# Allegro board LED_FIN.brd (continued)
## Routing (per net, layer and track width the routed paths; a pad name or vN(x,y) marks a point on that pad's centre or on a via; arc(x,y) is an arc through that point) (continued)
  BOTTOM w0.15: v1(209.25,240.8) v1(209.25,238.8) v1(209.25,236.8) v1(209.25,234.8) v1(209.25,232.8) v1(209.25,230.8) v1(209.25,228.8) v1(209.25,226.8) v1(209.25,224.8) v1(209.25,222.8) v1(209.25,220.8) v1(209.25,218.8) v1(209.25,216.8) v1(209.25,214.8) v1(209.25,212.8) v1(209.25,210.8) v1(209.25,208.8) v1(209.25,206.8) v1(209.25,204.8) v1(209.25,202.8) v1(209.25,200.8) v1(209.25,198.8) v1(209.25,196.8) v1(209.25,194.8) v1(209.25,192.8) v1(209.25,190.8) v1(209.25,188.8) v1(209.25,186.8) v1(209.25,184.8) v1(209.25,182.8) v1(209.25,180.8) v1(209.25,178.8) v1(209.25,176.8) v1(209.25,174.8) v1(209.25,172.8) v1(209.25,170.8) v1(209.25,168.8) v1(209.25,166.8) 209.22,166.77 209.22,129.98 209.25,129.95 v1(209.25,10.6)
COL_OUT_C35: length 258.2
  TOP w0.15: D11635.1 v1(207.25,226.8) ; D12205.1 v1(207.25,188.8) ; D11815.1 v1(207.25,214.8) ; D12265.1 v1(207.25,184.8) ; D12055.1 v1(207.25,198.8) ; D11485.1 v1(207.25,236.8) ; D11695.1 v1(207.25,222.8) ; D11575.1 v1(207.25,230.8) ; D11785.1 v1(207.25,216.8) ; D12115.1 v1(207.25,194.8) ; D12355.1 v1(207.25,178.8) ; D12325.1 v1(207.25,180.8) ; D11455.1 v1(207.25,238.8) ; D12535.1 v1(207.25,166.8) ; D12145.1 v1(207.25,192.8) ; R325.1 206.7,10.6 v1(207.25,10.6) ; D12025.1 v1(207.25,200.8) ; D11965.1 v1(207.25,204.8) ; D12385.1 v1(207.25,176.8) ; D11935.1 v1(207.25,206.8) ; D12415.1 v1(207.25,174.8) ; D11515.1 v1(207.25,234.8) ; D12295.1 v1(207.25,182.8) ; D11875.1 v1(207.25,210.8) ; D11425.1 v1(207.25,240.8) ; D11605.1 v1(207.25,228.8) ; D11545.1 v1(207.25,232.8) ; D12505.1 v1(207.25,168.8) ; D12085.1 v1(207.25,196.8) ; D11665.1 v1(207.25,224.8) ; D11755.1 v1(207.25,218.8) ; D11845.1 v1(207.25,212.8) ; D12475.1 v1(207.25,170.8) ; D12175.1 v1(207.25,190.8) ; D11995.1 v1(207.25,202.8) ; D12445.1 v1(207.25,172.8) ; D11905.1 v1(207.25,208.8) ; D11725.1 v1(207.25,220.8) ; D12235.1 v1(207.25,186.8)
  BOTTOM w0.15: v1(207.25,10.6) 206.78,11.07 206.78,41.77 207.13,42.12 207.13,129.53 206.68,129.98 206.68,131.75 207.25,132.32 v1(207.25,166.8) v1(207.25,168.8) v1(207.25,170.8) v1(207.25,172.8) v1(207.25,174.8) v1(207.25,176.8) v1(207.25,178.8) v1(207.25,180.8) v1(207.25,182.8) v1(207.25,184.8) v1(207.25,186.8) v1(207.25,188.8) v1(207.25,190.8) v1(207.25,192.8) v1(207.25,194.8) v1(207.25,196.8) v1(207.25,198.8) v1(207.25,200.8) v1(207.25,202.8) v1(207.25,204.8) v1(207.25,206.8) v1(207.25,208.8) v1(207.25,210.8) v1(207.25,212.8) v1(207.25,214.8) v1(207.25,216.8) v1(207.25,218.8) v1(207.25,220.8) v1(207.25,222.8) v1(207.25,224.8) v1(207.25,226.8) v1(207.25,228.8) v1(207.25,230.8) v1(207.25,232.8) v1(207.25,234.8) v1(207.25,236.8) v1(207.25,238.8) v1(207.25,240.8)
COL_OUT_C36: length 257.6
  TOP w0.15: D12324.1 v1(205.25,180.8) ; D12474.1 v1(205.25,170.8) ; R324.1 204.7,10.6 v1(205.25,10.6) ; D11724.1 v1(205.25,220.8) ; D12444.1 v1(205.25,172.8) ; D12054.1 v1(205.25,198.8) ; D12414.1 v1(205.25,174.8) ; D12084.1 v1(205.25,196.8) ; D11754.1 v1(205.25,218.8) ; D11874.1 v1(205.25,210.8) ; D12504.1 v1(205.25,168.8) ; D11634.1 v1(205.25,226.8) ; D12354.1 v1(205.25,178.8) ; D11814.1 v1(205.25,214.8) ; D11574.1 v1(205.25,230.8) ; D11604.1 v1(205.25,228.8) ; D11664.1 v1(205.25,224.8) ; D11424.1 v1(205.25,240.8) ; D11964.1 v1(205.25,204.8) ; D12534.1 v1(205.25,166.8) ; D11844.1 v1(205.25,212.8) ; D12024.1 v1(205.25,200.8) ; D11544.1 v1(205.25,232.8) ; D12264.1 v1(205.25,184.8) ; D12144.1 v1(205.25,192.8) ; D12294.1 v1(205.25,182.8) ; D11934.1 v1(205.25,206.8) ; D12114.1 v1(205.25,194.8) ; D11694.1 v1(205.25,222.8) ; D11484.1 v1(205.25,236.8) ; D11904.1 v1(205.25,208.8) ; D12234.1 v1(205.25,186.8) ; D11784.1 v1(205.25,216.8) ; D12204.1 v1(205.25,188.8) ; D11514.1 v1(205.25,234.8) ; D12174.1 v1(205.25,190.8) ; D11454.1 v1(205.25,238.8) ; D12384.1 v1(205.25,176.8) ; D11994.1 v1(205.25,202.8)
  BOTTOM w0.15: v1(205.25,10.6) 205.44,10.79 205.44,41.77 205.34,41.87 205.34,166.71 v1(205.25,166.8) v1(205.25,168.8) v1(205.25,170.8) v1(205.25,172.8) v1(205.25,174.8) v1(205.25,176.8) v1(205.25,178.8) v1(205.25,180.8) v1(205.25,182.8) v1(205.25,184.8) v1(205.25,186.8) v1(205.25,188.8) v1(205.25,190.8) v1(205.25,192.8) v1(205.25,194.8) v1(205.25,196.8) v1(205.25,198.8) v1(205.25,200.8) v1(205.25,202.8) v1(205.25,204.8) v1(205.25,206.8) v1(205.25,208.8) v1(205.25,210.8) v1(205.25,212.8) v1(205.25,214.8) v1(205.25,216.8) v1(205.25,218.8) v1(205.25,220.8) v1(205.25,222.8) v1(205.25,224.8) v1(205.25,226.8) v1(205.25,228.8) v1(205.25,230.8) v1(205.25,232.8) v1(205.25,234.8) v1(205.25,236.8) v1(205.25,238.8) v1(205.25,240.8)
COL_OUT_C37: length 257.9
  TOP w0.15: D11483.1 v1(203.25,236.8) ; D12323.1 v1(203.25,180.8) ; D11663.1 v1(203.25,224.8) ; D12293.1 v1(203.25,182.8) ; D12503.1 v1(203.25,168.8) ; D11873.1 v1(203.25,210.8) ; D11993.1 v1(203.25,202.8) ; D11423.1 v1(203.25,240.8) ; D11813.1 v1(203.25,214.8) ; D11633.1 v1(203.25,226.8) ; D12233.1 v1(203.25,186.8) ; D12113.1 v1(203.25,194.8) ; D11543.1 v1(203.25,232.8) ; R323.1 202.7,10.6 v1(203.25,10.6) ; D12263.1 v1(203.25,184.8) ; D11723.1 v1(203.25,220.8) ; D11513.1 v1(203.25,234.8) ; D11573.1 v1(203.25,230.8) ; D12413.1 v1(203.25,174.8) ; D12203.1 v1(203.25,188.8) ; D12023.1 v1(203.25,200.8) ; D12053.1 v1(203.25,198.8) ; D11843.1 v1(203.25,212.8) ; D11903.1 v1(203.25,208.8) ; D11933.1 v1(203.25,206.8) ; D11783.1 v1(203.25,216.8) ; D12353.1 v1(203.25,178.8) ; D12383.1 v1(203.25,176.8) ; D12083.1 v1(203.25,196.8) ; D11693.1 v1(203.25,222.8) ; D12173.1 v1(203.25,190.8) ; D11603.1 v1(203.25,228.8) ; D12533.1 v1(203.25,166.8) ; D12473.1 v1(203.25,170.8) ; D12143.1 v1(203.25,192.8) ; D11963.1 v1(203.25,204.8) ; D11753.1 v1(203.25,218.8) ; D11453.1 v1(203.25,238.8) ; D12443.1 v1(203.25,172.8)
  BOTTOM w0.15: v1(203.25,240.8) v1(203.25,238.8) v1(203.25,236.8) v1(203.25,234.8) v1(203.25,232.8) v1(203.25,230.8) v1(203.25,228.8) v1(203.25,226.8) v1(203.25,224.8) v1(203.25,222.8) v1(203.25,220.8) v1(203.25,218.8) v1(203.25,216.8) v1(203.25,214.8) v1(203.25,212.8) v1(203.25,210.8) v1(203.25,208.8) v1(203.25,206.8) v1(203.25,204.8) v1(203.25,202.8) v1(203.25,200.8) v1(203.25,198.8) v1(203.25,196.8) v1(203.25,194.8) v1(203.25,192.8) v1(203.25,190.8) v1(203.25,188.8) v1(203.25,186.8) v1(203.25,184.8) v1(203.25,182.8) v1(203.25,180.8) v1(203.25,178.8) v1(203.25,176.8) v1(203.25,174.8) v1(203.25,172.8) v1(203.25,170.8) v1(203.25,168.8) v1(203.25,166.8) 203.25,132.13 202.87,131.75 202.87,129.98 203.22,129.63 203.22,42.02 202.97,41.77 202.97,11.38 203.25,11.1 v1(203.25,10.6)
COL_OUT_C38: length 257.7
  TOP w0.15: D11572.1 v1(201.25,230.8) ; D12022.1 v1(201.25,200.8) ; D11992.1 v1(201.25,202.8) ; D12532.1 v1(201.25,166.8) ; D11782.1 v1(201.25,216.8) ; D12382.1 v1(201.25,176.8) ; D12352.1 v1(201.25,178.8) ; D11932.1 v1(201.25,206.8) ; D12322.1 v1(201.25,180.8) ; D12082.1 v1(201.25,196.8) ; D12502.1 v1(201.25,168.8) ; D12412.1 v1(201.25,174.8) ; D11662.1 v1(201.25,224.8) ; D11812.1 v1(201.25,214.8) ; D12052.1 v1(201.25,198.8) ; D11722.1 v1(201.25,220.8) ; D11512.1 v1(201.25,234.8) ; D11482.1 v1(201.25,236.8) ; D11602.1 v1(201.25,228.8) ; D12112.1 v1(201.25,194.8) ; D11542.1 v1(201.25,232.8) ; D12292.1 v1(201.25,182.8) ; R322.1 200.7,10.6 v1(201.25,10.6) ; D12142.1 v1(201.25,192.8) ; D12472.1 v1(201.25,170.8) ; D11422.1 v1(201.25,240.8) ; D12202.1 v1(201.25,188.8) ; D12232.1 v1(201.25,186.8) ; D11452.1 v1(201.25,238.8) ; D12442.1 v1(201.25,172.8) ; D12262.1 v1(201.25,184.8) ; D12172.1 v1(201.25,190.8) ; D11752.1 v1(201.25,218.8) ; D11872.1 v1(201.25,210.8) ; D11902.1 v1(201.25,208.8) ; D11692.1 v1(201.25,222.8) ; D11632.1 v1(201.25,226.8) ; D11842.1 v1(201.25,212.8) ; D11962.1 v1(201.25,204.8)
  BOTTOM w0.15: v1(201.25,240.8) v1(201.25,238.8) v1(201.25,236.8) v1(201.25,234.8) v1(201.25,232.8) v1(201.25,230.8) v1(201.25,228.8) v1(201.25,226.8) v1(201.25,224.8) v1(201.25,222.8) v1(201.25,220.8) v1(201.25,218.8) v1(201.25,216.8) v1(201.25,214.8) v1(201.25,212.8) v1(201.25,210.8) v1(201.25,208.8) v1(201.25,206.8) v1(201.25,204.8) v1(201.25,202.8) v1(201.25,200.8) v1(201.25,198.8) v1(201.25,196.8) v1(201.25,194.8) v1(201.25,192.8) v1(201.25,190.8) v1(201.25,188.8) v1(201.25,186.8) v1(201.25,184.8) v1(201.25,182.8) v1(201.25,180.8) v1(201.25,178.8) v1(201.25,176.8) v1(201.25,174.8) v1(201.25,172.8) v1(201.25,170.8) v1(201.25,168.8) v1(201.25,166.8) 201.25,132.03 201.53,131.75 201.53,41.87 201.63,41.77 201.63,10.98 v1(201.25,10.6)
COL_OUT_C39: length 257.6
  TOP w0.15: D11811.1 v1(199.25,214.8) ; D11601.1 v1(199.25,228.8) ; D11781.1 v1(199.25,216.8) ; D11751.1 v1(199.25,218.8) ; D11931.1 v1(199.25,206.8) ; D11511.1 v1(199.25,234.8) ; D11871.1 v1(199.25,210.8) ; D12081.1 v1(199.25,196.8) ; D12381.1 v1(199.25,176.8) ; v1(199.25,10.6) 198.7,10.6 R321.1 ; D12411.1 v1(199.25,174.8) ; D11571.1 v1(199.25,230.8) ; D11421.1 v1(199.25,240.8) ; D12201.1 v1(199.25,188.8) ; D12261.1 v1(199.25,184.8) ; D11481.1 v1(199.25,236.8) ; D11541.1 v1(199.25,232.8) ; D12051.1 v1(199.25,198.8) ; D12441.1 v1(199.25,172.8) ; D12531.1 v1(199.25,166.8) ; D12291.1 v1(199.25,182.8) ; D11721.1 v1(199.25,220.8) ; D11451.1 v1(199.25,238.8) ; D11991.1 v1(199.25,202.8) ; D11631.1 v1(199.25,226.8) ; D11841.1 v1(199.25,212.8) ; D11901.1 v1(199.25,208.8) ; D12471.1 v1(199.25,170.8) ; D12021.1 v1(199.25,200.8) ; D12231.1 v1(199.25,186.8) ; D12501.1 v1(199.25,168.8) ; D11691.1 v1(199.25,222.8) ; D12111.1 v1(199.25,194.8) ; D12321.1 v1(199.25,180.8) ; D12141.1 v1(199.25,192.8) ; D12171.1 v1(199.25,190.8) ; D12351.1 v1(199.25,178.8) ; D11661.1 v1(199.25,224.8) ; D11961.1 v1(199.25,204.8)
  BOTTOM w0.15: v1(199.25,240.8) v1(199.25,238.8) v1(199.25,236.8) v1(199.25,234.8) v1(199.25,232.8) v1(199.25,230.8) v1(199.25,228.8) v1(199.25,226.8) v1(199.25,224.8) v1(199.25,222.8) v1(199.25,220.8) v1(199.25,218.8) v1(199.25,216.8) v1(199.25,214.8) v1(199.25,212.8) v1(199.25,210.8) v1(199.25,208.8) v1(199.25,206.8) v1(199.25,204.8) v1(199.25,202.8) v1(199.25,200.8) v1(199.25,198.8) v1(199.25,196.8) v1(199.25,194.8) v1(199.25,192.8) v1(199.25,190.8) v1(199.25,188.8) v1(199.25,186.8) v1(199.25,184.8) v1(199.25,182.8) v1(199.25,180.8) v1(199.25,178.8) v1(199.25,176.8) v1(199.25,174.8) v1(199.25,172.8) v1(199.25,170.8) v1(199.25,168.8) v1(199.25,166.8) 199.06,166.61 199.06,129.98 199.16,129.88 199.16,10.69 v1(199.25,10.6)
COL_OUT_C40: length 258.1
  TOP w0.15: R320.1 196.7,10.6 v1(197.25,10.6) ; D12260.1 v1(197.25,184.8) ; D11870.1 v1(197.25,210.8) ; D11660.1 v1(197.25,224.8) ; D11690.1 v1(197.25,222.8) ; D12440.1 v1(197.25,172.8) ; D12320.1 v1(197.25,180.8) ; D11810.1 v1(197.25,214.8) ; D12380.1 v1(197.25,176.8) ; D12110.1 v1(197.25,194.8) ; D11450.1 v1(197.25,238.8) ; D12170.1 v1(197.25,190.8) ; D12050.1 v1(197.25,198.8) ; D11750.1 v1(197.25,218.8) ; D11510.1 v1(197.25,234.8) ; D12230.1 v1(197.25,186.8) ; D11420.1 v1(197.25,240.8) ; D12290.1 v1(197.25,182.8) ; D12500.1 v1(197.25,168.8) ; D11960.1 v1(197.25,204.8) ; D11570.1 v1(197.25,230.8) ; D11900.1 v1(197.25,208.8) ; D12350.1 v1(197.25,178.8) ; D11840.1 v1(197.25,212.8) ; D12530.1 v1(197.25,166.8) ; D11930.1 v1(197.25,206.8) ; D12140.1 v1(197.25,192.8) ; D12410.1 v1(197.25,174.8) ; D11480.1 v1(197.25,236.8) ; D12470.1 v1(197.25,170.8) ; D11540.1 v1(197.25,232.8) ; D11780.1 v1(197.25,216.8) ; D11630.1 v1(197.25,226.8) ; D11990.1 v1(197.25,202.8) ; D11600.1 v1(197.25,228.8) ; D12080.1 v1(197.25,196.8) ; D12020.1 v1(197.25,200.8) ; D12200.1 v1(197.25,188.8) ; D11720.1 v1(197.25,220.8)
  BOTTOM w0.15: v1(197.25,240.8) v1(197.25,238.8) v1(197.25,236.8) v1(197.25,234.8) v1(197.25,232.8) v1(197.25,230.8) v1(197.25,228.8) v1(197.25,226.8) v1(197.25,224.8) v1(197.25,222.8) v1(197.25,220.8) v1(197.25,218.8) v1(197.25,216.8) v1(197.25,214.8) v1(197.25,212.8) v1(197.25,210.8) v1(197.25,208.8) v1(197.25,206.8) v1(197.25,204.8) v1(197.25,202.8) v1(197.25,200.8) v1(197.25,198.8) v1(197.25,196.8) v1(197.25,194.8) v1(197.25,192.8) v1(197.25,190.8) v1(197.25,188.8) v1(197.25,186.8) v1(197.25,184.8) v1(197.25,182.8) v1(197.25,180.8) v1(197.25,178.8) v1(197.25,176.8) v1(197.25,174.8) v1(197.25,172.8) v1(197.25,170.8) v1(197.25,168.8) v1(197.25,166.8) 197.25,132.22 197.72,131.75 197.72,129.98 197.47,129.73 197.47,42.12 197.82,41.77 197.82,40 197.25,39.43 v1(197.25,10.6)
COL_OUT_C41: length 257.4
  TOP w0.15: D12079.1 v1(195.25,196.8) ; D12349.1 v1(195.25,178.8) ; D12109.1 v1(195.25,194.8) ; D11419.1 v1(195.25,240.8) ; D11449.1 v1(195.25,238.8) ; D12199.1 v1(195.25,188.8) ; D12289.1 v1(195.25,182.8) ; D11539.1 v1(195.25,232.8) ; D11509.1 v1(195.25,234.8) ; R319.1 194.7,10.6 v1(195.25,10.6) ; D11569.1 v1(195.25,230.8) ; D11869.1 v1(195.25,210.8) ; D12409.1 v1(195.25,174.8) ; D12019.1 v1(195.25,200.8) ; D11659.1 v1(195.25,224.8) ; D12229.1 v1(195.25,186.8) ; D12469.1 v1(195.25,170.8) ; D12049.1 v1(195.25,198.8) ; D11689.1 v1(195.25,222.8) ; D12139.1 v1(195.25,192.8) ; D11959.1 v1(195.25,204.8) ; D11629.1 v1(195.25,226.8) ; D11809.1 v1(195.25,214.8) ; D12259.1 v1(195.25,184.8) ; D11779.1 v1(195.25,216.8) ; D12169.1 v1(195.25,190.8) ; D11839.1 v1(195.25,212.8) ; D11599.1 v1(195.25,228.8) ; D11719.1 v1(195.25,220.8) ; D12379.1 v1(195.25,176.8) ; D11749.1 v1(195.25,218.8) ; D12319.1 v1(195.25,180.8) ; D12529.1 v1(195.25,166.8) ; D11989.1 v1(195.25,202.8) ; D11899.1 v1(195.25,208.8) ; D11479.1 v1(195.25,236.8) ; D12499.1 v1(195.25,168.8) ; D11929.1 v1(195.25,206.8) ; D12439.1 v1(195.25,172.8)
  BOTTOM w0.15: v1(195.25,10.6) 195.28,10.63 195.28,41.77 195.25,41.8 v1(195.25,166.8) v1(195.25,168.8) v1(195.25,170.8) v1(195.25,172.8) v1(195.25,174.8) v1(195.25,176.8) v1(195.25,178.8) v1(195.25,180.8) v1(195.25,182.8) v1(195.25,184.8) v1(195.25,186.8) v1(195.25,188.8) v1(195.25,190.8) v1(195.25,192.8) v1(195.25,194.8) v1(195.25,196.8) v1(195.25,198.8) v1(195.25,200.8) v1(195.25,202.8) v1(195.25,204.8) v1(195.25,206.8) v1(195.25,208.8) v1(195.25,210.8) v1(195.25,212.8) v1(195.25,214.8) v1(195.25,216.8) v1(195.25,218.8) v1(195.25,220.8) v1(195.25,222.8) v1(195.25,224.8) v1(195.25,226.8) v1(195.25,228.8) v1(195.25,230.8) v1(195.25,232.8) v1(195.25,234.8) v1(195.25,236.8) v1(195.25,238.8) v1(195.25,240.8)
COL_OUT_C42: length 258.1
  TOP w0.15: D12228.1 v1(193.25,186.8) ; D11688.1 v1(193.25,222.8) ; D12288.1 v1(193.25,182.8) ; D11418.1 v1(193.25,240.8) ; D11568.1 v1(193.25,230.8) ; D11868.1 v1(193.25,210.8) ; D12408.1 v1(193.25,174.8) ; D12018.1 v1(193.25,200.8) ; D11838.1 v1(193.25,212.8) ; D12198.1 v1(193.25,188.8) ; D12318.1 v1(193.25,180.8) ; D12168.1 v1(193.25,190.8) ; D11508.1 v1(193.25,234.8) ; D12438.1 v1(193.25,172.8) ; R318.1 192.7,10.6 v1(193.25,10.6) ; D11988.1 v1(193.25,202.8) ; D11478.1 v1(193.25,236.8) ; D11898.1 v1(193.25,208.8) ; D12378.1 v1(193.25,176.8) ; D11598.1 v1(193.25,228.8) ; D11928.1 v1(193.25,206.8) ; D11448.1 v1(193.25,238.8) ; D12348.1 v1(193.25,178.8) ; D11538.1 v1(193.25,232.8) ; D11658.1 v1(193.25,224.8) ; D11748.1 v1(193.25,218.8) ; D11718.1 v1(193.25,220.8) ; D12258.1 v1(193.25,184.8) ; D12498.1 v1(193.25,168.8) ; D11628.1 v1(193.25,226.8) ; D12078.1 v1(193.25,196.8) ; D12108.1 v1(193.25,194.8) ; D11808.1 v1(193.25,214.8) ; D12138.1 v1(193.25,192.8) ; D12468.1 v1(193.25,170.8) ; D11778.1 v1(193.25,216.8) ; D11958.1 v1(193.25,204.8) ; D12528.1 v1(193.25,166.8) ; D12048.1 v1(193.25,198.8)
  BOTTOM w0.15: v1(193.25,10.6) 192.81,11.04 192.81,41.77 193.06,42.02 193.06,129.63 192.71,129.98 192.71,131.75 193.25,132.29 v1(193.25,166.8) v1(193.25,168.8) v1(193.25,170.8) v1(193.25,172.8) v1(193.25,174.8) v1(193.25,176.8) v1(193.25,178.8) v1(193.25,180.8) v1(193.25,182.8) v1(193.25,184.8) v1(193.25,186.8) v1(193.25,188.8) v1(193.25,190.8) v1(193.25,192.8) v1(193.25,194.8) v1(193.25,196.8) v1(193.25,198.8) v1(193.25,200.8) v1(193.25,202.8) v1(193.25,204.8) v1(193.25,206.8) v1(193.25,208.8) v1(193.25,210.8) v1(193.25,212.8) v1(193.25,214.8) v1(193.25,216.8) v1(193.25,218.8) v1(193.25,220.8) v1(193.25,222.8) v1(193.25,224.8) v1(193.25,226.8) v1(193.25,228.8) v1(193.25,230.8) v1(193.25,232.8) v1(193.25,234.8) v1(193.25,236.8) v1(193.25,238.8) v1(193.25,240.8)
COL_OUT_C43: length 257.6
  TOP w0.15: D11747.1 v1(191.25,218.8) ; D12197.1 v1(191.25,188.8) ; D11807.1 v1(191.25,214.8) ; D11447.1 v1(191.25,238.8) ; D12377.1 v1(191.25,176.8) ; D11987.1 v1(191.25,202.8) ; D12407.1 v1(191.25,174.8) ; D11837.1 v1(191.25,212.8) ; D11927.1 v1(191.25,206.8) ; D12107.1 v1(191.25,194.8) ; D12047.1 v1(191.25,198.8) ; D12017.1 v1(191.25,200.8) ; D12167.1 v1(191.25,190.8) ; D11567.1 v1(191.25,230.8) ; D12467.1 v1(191.25,170.8) ; D12347.1 v1(191.25,178.8) ; D11537.1 v1(191.25,232.8) ; D11957.1 v1(191.25,204.8) ; D11627.1 v1(191.25,226.8) ; D12317.1 v1(191.25,180.8) ; D12257.1 v1(191.25,184.8) ; D12077.1 v1(191.25,196.8) ; D11897.1 v1(191.25,208.8) ; D12527.1 v1(191.25,166.8) ; D12227.1 v1(191.25,186.8) ; D11717.1 v1(191.25,220.8) ; D11657.1 v1(191.25,224.8) ; D11417.1 v1(191.25,240.8) ; D12437.1 v1(191.25,172.8) ; D12137.1 v1(191.25,192.8) ; D12287.1 v1(191.25,182.8) ; D11597.1 v1(191.25,228.8) ; R317.1 190.7,10.6 v1(191.25,10.6) ; D11687.1 v1(191.25,222.8) ; D11777.1 v1(191.25,216.8) ; D11507.1 v1(191.25,234.8) ; D11477.1 v1(191.25,236.8) ; D12497.1 v1(191.25,168.8) ; D11867.1 v1(191.25,210.8)
  BOTTOM w0.15: v1(191.25,10.6) 191.25,11.1 191.47,11.32 191.47,41.77 191.37,41.87 191.37,166.68 v1(191.25,166.8) v1(191.25,168.8) v1(191.25,170.8) v1(191.25,172.8) v1(191.25,174.8) v1(191.25,176.8) v1(191.25,178.8) v1(191.25,180.8) v1(191.25,182.8) v1(191.25,184.8) v1(191.25,186.8) v1(191.25,188.8) v1(191.25,190.8) v1(191.25,192.8) v1(191.25,194.8) v1(191.25,196.8) v1(191.25,198.8) v1(191.25,200.8) v1(191.25,202.8) v1(191.25,204.8) v1(191.25,206.8) v1(191.25,208.8) v1(191.25,210.8) v1(191.25,212.8) v1(191.25,214.8) v1(191.25,216.8) v1(191.25,218.8) v1(191.25,220.8) v1(191.25,222.8) v1(191.25,224.8) v1(191.25,226.8) v1(191.25,228.8) v1(191.25,230.8) v1(191.25,232.8) v1(191.25,234.8) v1(191.25,236.8) v1(191.25,238.8) v1(191.25,240.8)
COL_OUT_C44: length 257.9
  TOP w0.15: D12196.1 v1(189.25,188.8) ; D12226.1 v1(189.25,186.8) ; D11986.1 v1(189.25,202.8) ; D12496.1 v1(189.25,168.8) ; D12316.1 v1(189.25,180.8) ; D11596.1 v1(189.25,228.8) ; v1(189.25,10.6) 188.7,10.6 R316.1 ; D11566.1 v1(189.25,230.8) ; D11626.1 v1(189.25,226.8) ; D11836.1 v1(189.25,212.8) ; D11926.1 v1(189.25,206.8) ; D12106.1 v1(189.25,194.8) ; D11656.1 v1(189.25,224.8) ; D12136.1 v1(189.25,192.8) ; D11776.1 v1(189.25,216.8) ; D12076.1 v1(189.25,196.8) ; D11476.1 v1(189.25,236.8) ; D11866.1 v1(189.25,210.8) ; D11746.1 v1(189.25,218.8) ; D11956.1 v1(189.25,204.8) ; D12436.1 v1(189.25,172.8) ; D12466.1 v1(189.25,170.8) ; D12406.1 v1(189.25,174.8) ; D11536.1 v1(189.25,232.8) ; D11686.1 v1(189.25,222.8) ; D11896.1 v1(189.25,208.8) ; D11716.1 v1(189.25,220.8) ; D11806.1 v1(189.25,214.8) ; D11506.1 v1(189.25,234.8) ; D12376.1 v1(189.25,176.8) ; D12166.1 v1(189.25,190.8) ; D11416.1 v1(189.25,240.8) ; D12286.1 v1(189.25,182.8) ; D11446.1 v1(189.25,238.8) ; D12256.1 v1(189.25,184.8) ; D12046.1 v1(189.25,198.8) ; D12526.1 v1(189.25,166.8) ; D12016.1 v1(189.25,200.8) ; D12346.1 v1(189.25,178.8)
  BOTTOM w0.15: v1(189.25,240.8) v1(189.25,238.8) v1(189.25,236.8) v1(189.25,234.8) v1(189.25,232.8) v1(189.25,230.8) v1(189.25,228.8) v1(189.25,226.8) v1(189.25,224.8) v1(189.25,222.8) v1(189.25,220.8) v1(189.25,218.8) v1(189.25,216.8) v1(189.25,214.8) v1(189.25,212.8) v1(189.25,210.8) v1(189.25,208.8) v1(189.25,206.8) v1(189.25,204.8) v1(189.25,202.8) v1(189.25,200.8) v1(189.25,198.8) v1(189.25,196.8) v1(189.25,194.8) v1(189.25,192.8) v1(189.25,190.8) v1(189.25,188.8) v1(189.25,186.8) v1(189.25,184.8) v1(189.25,182.8) v1(189.25,180.8) v1(189.25,178.8) v1(189.25,176.8) v1(189.25,174.8) v1(189.25,172.8) v1(189.25,170.8) v1(189.25,168.8) v1(189.25,166.8) 189.25,132.1 188.9,131.75 188.9,129.98 189.25,129.63 189.25,42.02 189,41.77 189,11.35 189.25,11.1 v1(189.25,10.6)
COL_OUT_C45: length 257.8
  TOP w0.15: D11415.1 v1(187.25,240.8) ; D12165.1 v1(187.25,190.8) ; D11985.1 v1(187.25,202.8) ; D11505.1 v1(187.25,234.8) ; D12015.1 v1(187.25,200.8) ; D12345.1 v1(187.25,178.8) ; D12225.1 v1(187.25,186.8) ; D12375.1 v1(187.25,176.8) ; D11865.1 v1(187.25,210.8) ; D11925.1 v1(187.25,206.8) ; v1(187.25,10.6) 186.7,10.6 R315.1 ; D11895.1 v1(187.25,208.8) ; D11805.1 v1(187.25,214.8) ; D12135.1 v1(187.25,192.8) ; D12435.1 v1(187.25,172.8) ; D12045.1 v1(187.25,198.8) ; D11685.1 v1(187.25,222.8) ; D12285.1 v1(187.25,182.8) ; D12255.1 v1(187.25,184.8) ; D11715.1 v1(187.25,220.8) ; D11775.1 v1(187.25,216.8) ; D11625.1 v1(187.25,226.8) ; D11565.1 v1(187.25,230.8) ; D12195.1 v1(187.25,188.8) ; D11475.1 v1(187.25,236.8) ; D11655.1 v1(187.25,224.8) ; D12405.1 v1(187.25,174.8) ; D11595.1 v1(187.25,228.8) ; D11955.1 v1(187.25,204.8) ; D12495.1 v1(187.25,168.8) ; D12075.1 v1(187.25,196.8) ; D11445.1 v1(187.25,238.8) ; D11745.1 v1(187.25,218.8) ; D12525.1 v1(187.25,166.8) ; D12315.1 v1(187.25,180.8) ; D12465.1 v1(187.25,170.8) ; D11535.1 v1(187.25,232.8) ; D11835.1 v1(187.25,212.8) ; D12105.1 v1(187.25,194.8)
  BOTTOM w0.15: v1(187.25,240.8) v1(187.25,238.8) v1(187.25,236.8) v1(187.25,234.8) v1(187.25,232.8) v1(187.25,230.8) v1(187.25,228.8) v1(187.25,226.8) v1(187.25,224.8) v1(187.25,222.8) v1(187.25,220.8) v1(187.25,218.8) v1(187.25,216.8) v1(187.25,214.8) v1(187.25,212.8) v1(187.25,210.8) v1(187.25,208.8) v1(187.25,206.8) v1(187.25,204.8) v1(187.25,202.8) v1(187.25,200.8) v1(187.25,198.8) v1(187.25,196.8) v1(187.25,194.8) v1(187.25,192.8) v1(187.25,190.8) v1(187.25,188.8) v1(187.25,186.8) v1(187.25,184.8) v1(187.25,182.8) v1(187.25,180.8) v1(187.25,178.8) v1(187.25,176.8) v1(187.25,174.8) v1(187.25,172.8) v1(187.25,170.8) v1(187.25,168.8) v1(187.25,166.8) 187.25,132.06 187.56,131.75 187.56,41.87 187.66,41.77 187.66,11.01 v1(187.25,10.6)
COL_OUT_C46: length 257.6
  TOP w0.15: D12494.1 v1(185.25,168.8) ; D11954.1 v1(185.25,204.8) ; D12524.1 v1(185.25,166.8) ; D11834.1 v1(185.25,212.8) ; D11804.1 v1(185.25,214.8) ; D11564.1 v1(185.25,230.8) ; v1(185.25,10.6) 184.7,10.6 R314.1 ; D12374.1 v1(185.25,176.8) ; D11774.1 v1(185.25,216.8) ; D12194.1 v1(185.25,188.8) ; D12284.1 v1(185.25,182.8) ; D12014.1 v1(185.25,200.8) ; D11894.1 v1(185.25,208.8) ; D11624.1 v1(185.25,226.8) ; D11744.1 v1(185.25,218.8) ; D11984.1 v1(185.25,202.8) ; D11414.1 v1(185.25,240.8) ; D12314.1 v1(185.25,180.8) ; D12104.1 v1(185.25,194.8) ; D12254.1 v1(185.25,184.8) ; D11924.1 v1(185.25,206.8) ; D11684.1 v1(185.25,222.8) ; D11654.1 v1(185.25,224.8) ; D12224.1 v1(185.25,186.8) ; D12464.1 v1(185.25,170.8) ; D11534.1 v1(185.25,232.8) ; D12434.1 v1(185.25,172.8) ; D11594.1 v1(185.25,228.8) ; D12344.1 v1(185.25,178.8) ; D11474.1 v1(185.25,236.8) ; D12044.1 v1(185.25,198.8) ; D11504.1 v1(185.25,234.8) ; D11864.1 v1(185.25,210.8) ; D11444.1 v1(185.25,238.8) ; D12404.1 v1(185.25,174.8) ; D11714.1 v1(185.25,220.8) ; D12134.1 v1(185.25,192.8) ; D12164.1 v1(185.25,190.8) ; D12074.1 v1(185.25,196.8)
  BOTTOM w0.15: v1(185.25,10.6) 185.19,10.66 185.19,129.88 185.09,129.98 185.09,166.64 v1(185.25,166.8) v1(185.25,168.8) v1(185.25,170.8) v1(185.25,172.8) v1(185.25,174.8) v1(185.25,176.8) v1(185.25,178.8) v1(185.25,180.8) v1(185.25,182.8) v1(185.25,184.8) v1(185.25,186.8) v1(185.25,188.8) v1(185.25,190.8) v1(185.25,192.8) v1(185.25,194.8) v1(185.25,196.8) v1(185.25,198.8) v1(185.25,200.8) v1(185.25,202.8) v1(185.25,204.8) v1(185.25,206.8) v1(185.25,208.8) v1(185.25,210.8) v1(185.25,212.8) v1(185.25,214.8) v1(185.25,216.8) v1(185.25,218.8) v1(185.25,220.8) v1(185.25,222.8) v1(185.25,224.8) v1(185.25,226.8) v1(185.25,228.8) v1(185.25,230.8) v1(185.25,232.8) v1(185.25,234.8) v1(185.25,236.8) v1(185.25,238.8) v1(185.25,240.8)
COL_OUT_C47: length 257.5
  TOP w0.15: D12433.1 v1(183.25,172.8) ; D11713.1 v1(183.25,220.8) ; v1(183.25,10.6) 182.7,10.6 R313.1 ; D12073.1 v1(183.25,196.8) ; D11473.1 v1(183.25,236.8) ; D11593.1 v1(183.25,228.8) ; D12193.1 v1(183.25,188.8) ; D12253.1 v1(183.25,184.8) ; D11653.1 v1(183.25,224.8) ; D12223.1 v1(183.25,186.8) ; D11563.1 v1(183.25,230.8) ; D11443.1 v1(183.25,238.8) ; D12283.1 v1(183.25,182.8) ; D11803.1 v1(183.25,214.8) ; D12013.1 v1(183.25,200.8) ; D11773.1 v1(183.25,216.8) ; D12043.1 v1(183.25,198.8) ; D12343.1 v1(183.25,178.8) ; D11833.1 v1(183.25,212.8) ; D12403.1 v1(183.25,174.8) ; D11863.1 v1(183.25,210.8) ; D11533.1 v1(183.25,232.8) ; D12133.1 v1(183.25,192.8) ; D12493.1 v1(183.25,168.8) ; D11503.1 v1(183.25,234.8) ; D11413.1 v1(183.25,240.8) ; D12103.1 v1(183.25,194.8) ; D11923.1 v1(183.25,206.8) ; D12163.1 v1(183.25,190.8) ; D12463.1 v1(183.25,170.8) ; D11893.1 v1(183.25,208.8) ; D12373.1 v1(183.25,176.8) ; D11743.1 v1(183.25,218.8) ; D11953.1 v1(183.25,204.8) ; D11623.1 v1(183.25,226.8) ; D11983.1 v1(183.25,202.8) ; D12313.1 v1(183.25,180.8) ; D12523.1 v1(183.25,166.8) ; D11683.1 v1(183.25,222.8)
  BOTTOM w0.15: v1(183.25,240.8) v1(183.25,238.8) v1(183.25,236.8) v1(183.25,234.8) v1(183.25,232.8) v1(183.25,230.8) v1(183.25,228.8) v1(183.25,226.8) v1(183.25,224.8) v1(183.25,222.8) v1(183.25,220.8) v1(183.25,218.8) v1(183.25,216.8) v1(183.25,214.8) v1(183.25,212.8) v1(183.25,210.8) v1(183.25,208.8) v1(183.25,206.8) v1(183.25,204.8) v1(183.25,202.8) v1(183.25,200.8) v1(183.25,198.8) v1(183.25,196.8) v1(183.25,194.8) v1(183.25,192.8) v1(183.25,190.8) v1(183.25,188.8) v1(183.25,186.8) v1(183.25,184.8) v1(183.25,182.8) v1(183.25,180.8) v1(183.25,178.8) v1(183.25,176.8) v1(183.25,174.8) v1(183.25,172.8) v1(183.25,170.8) v1(183.25,168.8) v1(183.25,166.8) 183.38,166.66 183.38,42.07 183.29,41.97 183.29,10.63 v1(183.25,10.6)
